# Altium PCB Copy of TempdevAmmy0923.PcbDoc (part 4 of 4)
Units mm, origin at the board's own origin, x right, y up, seen from the top; angles counter-clockwise.
Board outline 80.31 x 100.3 mm, 2 copper layers (Top Layer, Bottom Layer); 947 components, 586 nets, 3026 pads, 130 vias.
Unrouted connection lines stored in the file: 1955.
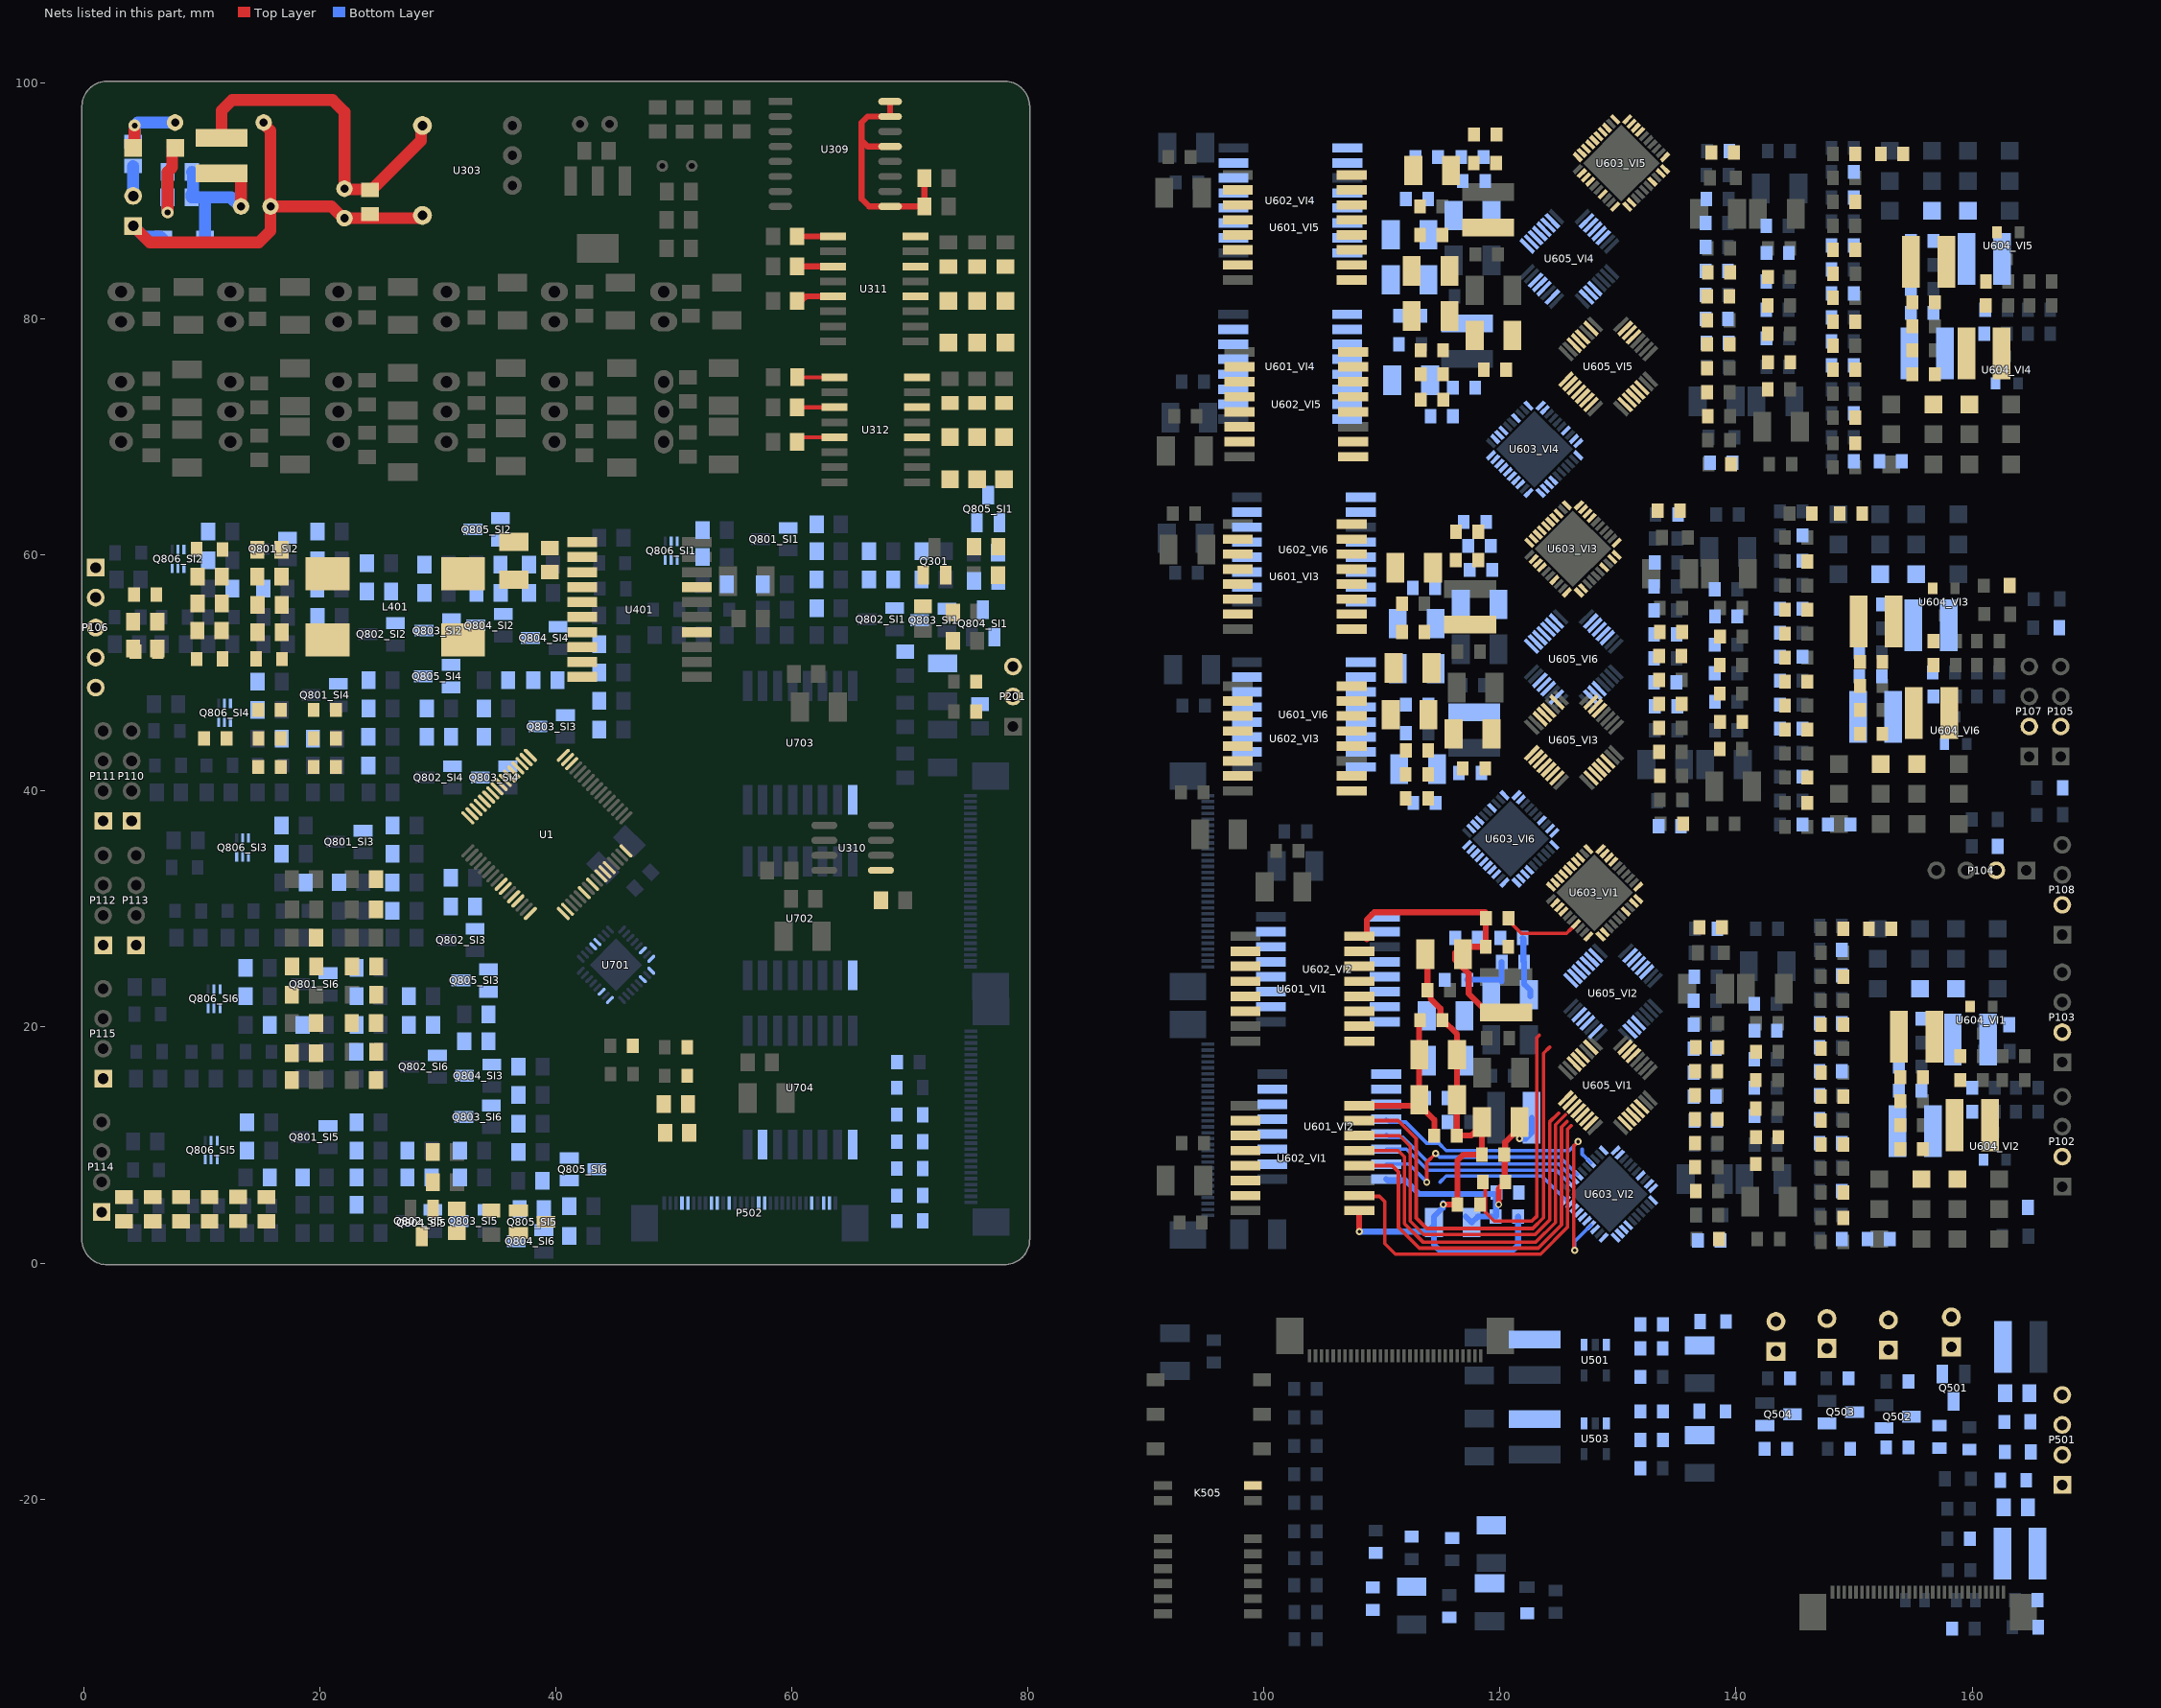
[diagram p4: the nets of this part, all layers, seen from the top]

## Via types
v1: diameter 0.5, hole 0.2, Top Layer to Bottom Layer, 96 vias
v2: diameter 0.6, hole 0.3, Top Layer to Bottom Layer, 23 vias
v3: diameter 0.5, hole 0.3, Top Layer to Bottom Layer, 9 vias
v4: diameter 1, hole 0.5, Top Layer to Bottom Layer, 2 vias

## Nets (pads, with @x,y where several pads share a name; then routed paths per layer and width w, separated by ;. In a path a pad name is that pad's centre, name@x,y a point inside that pad or via, vN(x,y) a via of type N, cw(c..) or ccw(c..) an arc to the next point about the centre after c; other vN are vias at no path point) (continued)
DA_F\A\L\U\T\_VI2: D202.2 U601_VI2.7
DA_F\A\L\U\T\_VI3: D203.2 U601_VI3.7
DA_F\A\L\U\T\_VI4: D204.2 U601_VI4.7
DA_F\A\L\U\T\_VI5: D205.2 U601_VI5.7
DA_F\A\L\U\T\_VI6: D206.2 U601_VI6.7
DA_L\D\A\C\: U1.52 U601_VI1.6 U601_VI2.6 U601_VI3.6 U601_VI4.6 U601_VI5.6 U601_VI6.6
DA_R\E\S\E\T\: U1.53 U602_VI1.2 U602_VI2.2 U602_VI3.2 U602_VI4.2 U602_VI5.2 U602_VI6.2
DA_S\Y\N\C\_VI1: U1.59 U601_VI1.2
DA_S\Y\N\C\_VI2: U1.58 U601_VI2.2
DA_S\Y\N\C\_VI3: U1.57 U601_VI3.2
DA_S\Y\N\C\_VI4: U1.56 U601_VI4.2
DA_S\Y\N\C\_VI5: U1.55 U601_VI5.2
DA_S\Y\N\C\_VI6: U1.54 U601_VI6.2
DA_SCLK: R206.2 U1.50 U601_VI1.3 U601_VI2.3 U601_VI3.3 U601_VI4.3 U601_VI5.3 U601_VI6.3
DA_SDI: R207.2 U1.48 U601_VI1.4 U601_VI2.4 U601_VI3.4 U601_VI4.4 U601_VI5.4 U601_VI6.4
DA_SDO: R208.2 R212.2 U1.49 U601_VI1.5 U601_VI2.5 U601_VI3.5 U601_VI4.5 U601_VI5.5 U601_VI6.5
DAGND: U601_VI1.9 U601_VI2.9 U601_VI3.9 U601_VI4.9 U601_VI5.9 U601_VI6.9
DASTATUS: R524.1 U1.22
DUPLEX/SDI_VI1: U602_VI1.12 U605_VI1.12 | length 32.5
  Top Layer w0.3: U602_VI1.12@108.076,8.255 110.871,8.255 111.403,7.723 111.403,3.024 113.16,1.267 123.242,1.267 125.206,3.231 125.206,11.519 125.677,11.991
DUPLEX/SDI_VI2: U602_VI2.12 U605_VI2.12
DUPLEX/SDI_VI3: U602_VI3.12 U605_VI3.12
DUPLEX/SDI_VI4: U602_VI4.12 U605_VI4.12
DUPLEX/SDI_VI5: U602_VI5.12 U605_VI5.12
DUPLEX/SDI_VI6: U602_VI6.12 U605_VI6.12
DVLDO: C602_VI1.1 C602_VI2.1 C602_VI3.1 C602_VI4.1 C602_VI5.1 C602_VI6.1 C604_VI1.1 C604_VI2.1 C604_VI3.1 C604_VI4.1 C604_VI5.1 C604_VI6.1 C606_VI1.1 C606_VI2.1 C606_VI3.1 C606_VI4.1 C606_VI5.1 C606_VI6.1 C608_VI1.1 C608_VI2.1 C608_VI3.1 C608_VI4.1 C608_VI5.1 C608_VI6.1 C619_VI1.1 C619_VI2.1 C619_VI3.1 C619_VI4.1 C619_VI5.1 C619_VI6.1 C621_VI1.1 C621_VI2.1 C621_VI3.1 C621_VI4.1 C621_VI5.1 C621_VI6.1 C626_VI1.1 C626_VI2.1 C626_VI3.1 C626_VI4.1 C626_VI5.1 C626_VI6.1 C628_VI1.1 C628_VI2.1 C628_VI3.1 C628_VI4.1 C628_VI5.1 C628_VI6.1 L603_VI1.2 L603_VI2.2 L603_VI3.2 L603_VI4.2 L603_VI5.2 L603_VI6.2 R601_VI1.1 R601_VI2.1 R601_VI3.1 R601_VI4.1 R601_VI5.1 R601_VI6.1 R616_VI1.1 R616_VI2.1 R616_VI3.1 R616_VI4.1 R616_VI5.1 R616_VI6.1 R618_VI1.1 R618_VI2.1 R618_VI3.1 R618_VI4.1 R618_VI5.1 R618_VI6.1 R620_VI1.1 R620_VI2.1 R620_VI3.1 R620_VI4.1 R620_VI5.1 R620_VI6.1 R621_VI1.1 R621_VI2.1 R621_VI3.1 R621_VI4.1 R621_VI5.1 R621_VI6.1 R624_VI1.1 R624_VI2.1 R624_VI3.1 R624_VI4.1 R624_VI5.1 R624_VI6.1 R626_VI1.1 R626_VI2.1 R626_VI3.1 R626_VI4.1 R626_VI5.1 R626_VI6.1 U601_VI1.16 U601_VI2.16 U601_VI3.16 U601_VI4.16 U601_VI5.16 U601_VI6.16 U602_VI1.16 U602_VI2.16 U602_VI3.16 U602_VI4.16 U602_VI5.16 U602_VI6.16 U603_VI1.13 U603_VI2.13 U603_VI3.13 U603_VI4.13 U603_VI5.13 U603_VI6.13 U605_VI1.2 U605_VI1.5 U605_VI1.9 U605_VI1.14 U605_VI2.2 U605_VI2.5 U605_VI2.9 U605_VI2.14 U605_VI3.2 U605_VI3.5 U605_VI3.9 U605_VI3.14 U605_VI4.2 U605_VI4.5 U605_VI4.9 U605_VI4.14 U605_VI5.2 U605_VI5.5 U605_VI5.9 U605_VI5.14 U605_VI6.2 U605_VI6.5 U605_VI6.9 U605_VI6.14 | length 70
  Top Layer w0.5: U602_VI1.16@108.711,13.335 112.665,13.335 C602_VI1.1@113.157,13.827 ; U601_VI1.16@108.712,27.432 108.712,29.083 109.347,29.718 R601_VI1.1@118.745,29.718 ; 113.157,19.9 C626_VI1.1@113.157,17.653 C602_VI1.1@113.157,13.827 ; C628_VI1.1@113.223,20.474 C628_VI1.1@113.223,20.574 ; C608_VI1.1@114.429,10.793 C608_VI1.1@114.432,10.795 114.432,12.145 113.75,12.827 113.669,12.827 113.157,13.339 C602_VI1.1@113.157,13.827 ; R601_VI1.1@118.811,29.21 118.803,29.202 118.803,26.805 C621_VI1.1@118.795,26.797 116.717,26.797 116.205,26.285 116.205,25.674 117.348,24.531 117.348,22.831 118.946,21.233 L603_VI1.2@120.396,21.233 ; v2(119.888,4.953) 119.888,6.289 R621_VI1.1@120.457,6.858 ; R621_VI1.1@120.442,7.162 120.396,7.208 120.396,9.178 120.441,9.224 120.441,10.235 C604_VI1.1@121.666,11.46 ; v2(121.666,10.541) C604_VI1.1@121.666,11.46 ; C604_VI1.1@121.666,11.948 C604_VI1.1@121.666,11.46
  Bottom Layer w0.5: U601_VI2.16@110.362,7.112 110.465,7.009 111.99,7.009 113.157,5.842 119.573,5.842 119.667,5.748 119.667,3.97 C621_VI2.1@119.634,3.937 118.11,3.937 C619_VI2.1@117.602,3.429 C619_VI2.1@117.09,3.941 ; v2(121.666,10.541) 122.182,10.541 122.682,11.041 L603_VI2.2@122.682,12.319 ; R621_VI2.1@121.92,27.559 121.983,27.495 121.983,25.59 C606_VI2.1@122.047,25.527 122.047,23.627 122.58,23.094 C604_VI2.1@122.58,22.606
DVLDOGND_VI1: C602_VI1.2 C602_VI2.2 C602_VI3.2 C602_VI4.2 C602_VI5.2 C602_VI6.2 C604_VI1.2 C604_VI2.2 C604_VI3.2 C604_VI4.2 C604_VI5.2 C604_VI6.2 C606_VI1.2 C606_VI2.2 C606_VI3.2 C606_VI4.2 C606_VI5.2 C606_VI6.2 C608_VI1.2 C608_VI2.2 C608_VI3.2 C608_VI4.2 C608_VI5.2 C608_VI6.2 C619_VI1.2 C619_VI2.2 C619_VI3.2 C619_VI4.2 C619_VI5.2 C619_VI6.2 C621_VI1.2 C621_VI2.2 C621_VI3.2 C621_VI4.2 C621_VI5.2 C621_VI6.2 C626_VI1.2 C626_VI2.2 C626_VI3.2 C626_VI4.2 C626_VI5.2 C626_VI6.2 C628_VI1.2 C628_VI2.2 C628_VI3.2 C628_VI4.2 C628_VI5.2 C628_VI6.2 R614_VI1.2 R614_VI2.2 R614_VI3.2 R614_VI4.2 R614_VI5.2 R614_VI6.2 R623_VI1.2 R623_VI2.2 R623_VI3.2 R623_VI4.2 R623_VI5.2 R623_VI6.2 U602_VI1.9 U602_VI2.9 U602_VI3.9 U602_VI4.9 U602_VI5.9 U602_VI6.9 U603_VI1.15 U603_VI2.15 U603_VI3.15 U603_VI4.15 U603_VI5.15 U603_VI6.15 U605_VI1.4 U605_VI1.15 U605_VI1.29 U605_VI2.4 U605_VI2.15 U605_VI2.29 U605_VI3.4 U605_VI3.15 U605_VI3.29 U605_VI4.4 U605_VI4.15 U605_VI4.29 U605_VI5.4 U605_VI5.15 U605_VI5.29 U605_VI6.4 U605_VI6.15 U605_VI6.29 | length 54.2
  Top Layer w0.5: U602_VI1.9@108.076,4.445 v2(108.077,2.667) v2(108.077,2.667) ; 113.858,24.821 R614_VI1.2@113.858,23.114 114.108,22.864 114.108,22.417 114.957,21.568 114.957,20.74 C628_VI1.2@115.123,20.574 ; C628_VI1.2@115.123,20.624 116.357,19.39 C626_VI1.2@116.357,17.653 C602_VI1.2@116.357,13.827 116.332,13.802 116.332,10.845 116.357,10.82 117.582,10.82 118.46,11.698 C606_VI1.2@118.46,9.178 116.874,9.178 116.398,8.702 R623_VI1.2@116.398,4.953 v2(115.189,4.953) ; C604_VI1.2@118.466,11.948 C604_VI1.2@118.669,11.745
  Bottom Layer w0.5: v2(108.077,2.667) 113.89,2.667 C619_VI2.2@114.402,3.179 ; v2@115.17,5.073 v2@115.189,5.054 ; v2(115.189,4.953) 115.17,4.934 115.17,4.685 114.402,3.917 C619_VI2.2@114.402,3.429 C619_VI2.2@114.402,3.179 ; C608_VI2.2@117.221,24.003 120.005,24.003 120.147,23.861 C606_VI2.2@120.147,25.527 ; C621_VI2.2@121.534,3.937 121.534,1.519 121.158,1.143 114.808,1.143 114.402,1.549 C619_VI2.2@114.402,3.179
F\A\L\U\T\_VI1: R601_VI1.2 U601_VI1.10 U603_VI1.27 | length 6.7
  Top Layer w0.3: R601_VI1.2@120.711,29.21 121.061,28.86 121.061,28.672 121.793,27.94 125.648,27.94 125.987,28.279 U603_VI1.27@126.443,28.735
F\A\L\U\T\_VI2: R601_VI2.2 U601_VI2.10 U603_VI2.27 | length 1.5
  Bottom Layer w0.3: 126.967,9.652 126.967,9.222 127.257,8.932 U603_VI2.27@127.713,8.476
F\A\L\U\T\_VI3: R601_VI3.2 U601_VI3.10 U603_VI3.27
F\A\L\U\T\_VI4: R601_VI4.2 U601_VI4.10 U603_VI4.27
F\A\L\U\T\_VI5: R601_VI5.2 U601_VI5.10 U603_VI5.27
F\A\L\U\T\_VI6: R601_VI6.2 U601_VI6.10 U603_VI6.27
F\A\U\L\T\: D201.1 D202.1 D203.1 D204.1 D205.1 D206.1 R213.2 U1.46
GPIO_0_VI1: R613_VI1.1 R616_VI1.2 U603_VI1.17
GPIO_0_VI2: R613_VI2.1 R616_VI2.2 U603_VI2.17
GPIO_0_VI3: R613_VI3.1 R616_VI3.2 U603_VI3.17
GPIO_0_VI4: R613_VI4.1 R616_VI4.2 U603_VI4.17
GPIO_0_VI5: R613_VI5.1 R616_VI5.2 U603_VI5.17
GPIO_0_VI6: R613_VI6.1 R616_VI6.2 U603_VI6.17
GPIO_1_VI1: R617_VI1.1 R618_VI1.2 U603_VI1.18
GPIO_1_VI2: R617_VI2.1 R618_VI2.2 U603_VI2.18
GPIO_1_VI3: R617_VI3.1 R618_VI3.2 U603_VI3.18
GPIO_1_VI4: R617_VI4.1 R618_VI4.2 U603_VI4.18
GPIO_1_VI5: R617_VI5.1 R618_VI5.2 U603_VI5.18
GPIO_1_VI6: R617_VI6.1 R618_VI6.2 U603_VI6.18
GPIO_2_VI1: R619_VI1.1 R620_VI1.2 U603_VI1.19
GPIO_2_VI2: R619_VI2.1 R620_VI2.2 U603_VI2.19
GPIO_2_VI3: R619_VI3.1 R620_VI3.2 U603_VI3.19
GPIO_2_VI4: R619_VI4.1 R620_VI4.2 U603_VI4.19
GPIO_2_VI5: R619_VI5.1 R620_VI5.2 U603_VI5.19
GPIO_2_VI6: R619_VI6.1 R620_VI6.2 U603_VI6.19
HART_CD/IRQ: U1.63 U602_VI1.6 U602_VI2.6 U602_VI3.6 U602_VI4.6 U602_VI5.6 U602_VI6.6
HART_DUPLEX/SDI: R207.1 R209.1 U602_VI1.5
HART_DUPLEX/SDI_VI2: U602_VI1.7 U602_VI2.5
HART_DUPLEX/SDI_VI3: U602_VI2.7 U602_VI3.5
HART_DUPLEX/SDI_VI4: U602_VI3.7 U602_VI4.5
HART_DUPLEX/SDI_VI5: U602_VI4.7 U602_VI5.5
HART_DUPLEX/SDI_VI6: U602_VI5.7 U602_VI6.5
HART_OUT/SDO: R208.1 R210.1 U602_VI6.7
HART_R\T\S\/SCLK: R206.1 R211.1 U602_VI1.4 U602_VI2.4 U602_VI3.4 U602_VI4.4 U602_VI5.4 U602_VI6.4
HART_RXD/C\S\: U1.64 U602_VI1.3 U602_VI2.3 U602_VI3.3 U602_VI4.3 U602_VI5.3 U602_VI6.3
HMI5V: C501.1 C505.1 D502.2 D512.2 L501.1 R502.1 R525.1
IOUT1: Q805_SI1.3 Q805_SI2.3 Q805_SI3.3 Q805_SI4.3 Q805_SI5.3 Q805_SI6.3 R707.1 R708.2
L\D\A\C\_VI1: U601_VI1.11 U603_VI1.20
L\D\A\C\_VI2: U601_VI2.11 U603_VI2.20 | length 11.7
  Bottom Layer w0.3: 114.935,6.858 115.443,7.366 123.555,7.366 U603_VI2.20@125.591,5.329
L\D\A\C\_VI3: U601_VI3.11 U603_VI3.20
L\D\A\C\_VI4: U601_VI4.11 U603_VI4.20
L\D\A\C\_VI5: U601_VI5.11 U603_VI5.20
L\D\A\C\_VI6: U601_VI6.11 U603_VI6.20
MOD_IN_VI1: C622_VI1.2 U605_VI1.21
MOD_IN_VI2: C622_VI2.2 U605_VI2.21
MOD_IN_VI3: C622_VI3.2 U605_VI3.21
MOD_IN_VI4: C622_VI4.2 U605_VI4.21
MOD_IN_VI5: C622_VI5.2 U605_VI5.21
MOD_IN_VI6: C622_VI6.2 U605_VI6.21
MOD_INF_VI1: C623_VI1.2 C624_VI1.1 R628_VI1.1 R629_VI1.2 U605_VI1.22
MOD_INF_VI2: C623_VI2.2 C624_VI2.1 R628_VI2.1 R629_VI2.2 U605_VI2.22
MOD_INF_VI3: C623_VI3.2 C624_VI3.1 R628_VI3.1 R629_VI3.2 U605_VI3.22
MOD_INF_VI4: C623_VI4.2 C624_VI4.1 R628_VI4.1 R629_VI4.2 U605_VI4.22
MOD_INF_VI5: C623_VI5.2 C624_VI5.1 R628_VI5.1 R629_VI5.2 U605_VI5.22
MOD_INF_VI6: C623_VI6.2 C624_VI6.1 R628_VI6.1 R629_VI6.2 U605_VI6.22
MOD_OUT_VI1: C631_VI1.2 C633_VI1.1 U605_VI1.19
MOD_OUT_VI2: C631_VI2.2 C633_VI2.1 U605_VI2.19
MOD_OUT_VI3: C631_VI3.2 C633_VI3.1 U605_VI3.19
MOD_OUT_VI4: C631_VI4.2 C633_VI4.1 U605_VI4.19
MOD_OUT_VI5: C631_VI5.2 C633_VI5.1 U605_VI5.19
MOD_OUT_VI6: C631_VI6.2 C633_VI6.1 U605_VI6.19
MOSI: P502.13 U1.16
NetC201_2: C201.2 U1.17
NetC305_1: C305.1 D302.2 L301.1 R301.1 R302.1 | length 14.6
  Top Layer w1: L301.1@11.684,92.353 13.085,92.353 13.335,92.103 C305.1@13.335,89.535
  Bottom Layer w1: R301.1@9.16,92.456 9.26,92.356 9.26,90.689 9.271,90.678 9.144,90.551 R302.1@9.144,90.297 10.287,90.297 ; D302.2@10.287,86.741 10.287,90.297 ; C305.1@13.335,89.535 13.227,89.535 12.465,90.297 10.287,90.297
NetC405_2: C405.2 L401.4 R402.1
NetC406_1: C406.1 L401.3 R404.2
NetC501_2: C501.2 R525.2 R526.1 U501.3
NetC509_1: C509.1 P502.26
NetC510_1: C510.1 C511.1 P502.27
NetC512_1: C512.1 P502.3
NetC514_2: C514.2 R529.2 R530.1 U503.3
NetC624_VI1_2: C624_VI1.2 C629_VI1.2 R627_VI1.1
NetC624_VI2_2: C624_VI2.2 C629_VI2.2 R627_VI2.1
NetC624_VI3_2: C624_VI3.2 C629_VI3.2 R627_VI3.1
NetC624_VI4_2: C624_VI4.2 C629_VI4.2 R627_VI4.1
NetC624_VI5_2: C624_VI5.2 C629_VI5.2 R627_VI5.1
NetC624_VI6_2: C624_VI6.2 C629_VI6.2 R627_VI6.1
NetC630_VI1_2: C630_VI1.2 R629_VI1.1 U605_VI1.20
NetC630_VI2_2: C630_VI2.2 R629_VI2.1 U605_VI2.20
NetC630_VI3_2: C630_VI3.2 R629_VI3.1 U605_VI3.20
NetC630_VI4_2: C630_VI4.2 R629_VI4.1 U605_VI4.20
NetC630_VI5_2: C630_VI5.2 R629_VI5.1 U605_VI5.20
NetC630_VI6_2: C630_VI6.2 R629_VI6.1 U605_VI6.20
NetC632_VI1_1: C632_VI1.1 U605_VI1.18
NetC632_VI2_1: C632_VI2.1 U605_VI2.18
NetC632_VI3_1: C632_VI3.1 U605_VI3.18
NetC632_VI4_1: C632_VI4.1 U605_VI4.18
NetC632_VI5_1: C632_VI5.1 U605_VI5.18
NetC632_VI6_1: C632_VI6.1 U605_VI6.18
NetC708_2: C708.2 U701.1
NetC709_2: C709.2 U701.24
NetC802_SI1_2: C802_SI1.2 Q806_SI1.4 R815_SI1.2
NetC802_SI2_2: C802_SI2.2 Q806_SI2.4 R815_SI2.2
NetC802_SI3_2: C802_SI3.2 Q806_SI3.4 R815_SI3.2
NetC802_SI4_2: C802_SI4.2 Q806_SI4.4 R815_SI4.2
NetC802_SI5_2: C802_SI5.2 Q806_SI5.4 R815_SI5.2
NetC802_SI6_2: C802_SI6.2 Q806_SI6.4 R815_SI6.2
NetD301_1: D301.1 F301.2 R303.2 | length 6.5
  Top Layer w1: D301.1@4.191,94.488 4.316,94.613 v4@4.316,95.985
  Bottom Layer w1: F301.2@4.191,95.012 4.218,95.012 4.318,95.112 v4(4.318,96.393) 4.572,96.647 R303.2@7.747,96.647
NetD301_2: D301.2 R301.2 R302.2 | length 9.2
  Top Layer w1: v4(7.112,89.027) 7.112,92.456 7.497,92.841 7.497,94.238 D301.2@7.747,94.488
  Bottom Layer w1: v4(7.112,89.027) R301.2@7.112,92.456
NetD303_1: D303.1 R306.2 U311.16
NetD303_2: D303.2 D304.2 D305.2 D306.2 D307.2 D308.2 R317.1
NetD304_1: D304.1 R307.2 U311.14
NetD305_1: D305.1 R308.2 U311.12
NetD306_1: D306.1 R309.2 U312.16
NetD307_1: D307.1 R310.2 U312.14
NetD308_1: D308.1 R311.2 U312.12
NetD401_1: D401.1 D402.2 PTC401.2 R401.2 R402.2 R403.2
NetD402_1: D402.1 D403.2 PTC402.2 R403.1 R404.1 R405.2
NetD501_2: D501.2 L501.2 R501.2
NetD506_1: D506.1 L502.2 R506.2
NetD508_1: D508.1 R517.2
NetD508_2: D508.2 Q501.1
NetD509_1: D509.1 R519.2
NetD509_2: D509.2 Q502.1
NetD510_1: D510.1 R521.2
NetD510_2: D510.2 Q503.1
NetD511_1: D511.1 R523.2
NetD511_2: D511.2 Q504.1
NetD512_1: D512.1 L503.2 U501.1
NetD513_1: D513.1 R527.1
NetD514_1: D514.1 L504.2 U503.1
NetL401_1: L401.1 U401.15 U401.18
NetL401_2: L401.2 U401.13 U401.17
NetNTC701_1: NTC701.1 R703.2 R704.2
NetNTC701_2: NTC701.2 R701.2 R702.2
NetP002_48: 
NetP502_5: P502.5 R527.2
NetP502_22: P502.22 R528.2
NetQ301_2: Q301.2 R317.2 R318.1
NetQ501_2: Q501.2 R518.2
NetQ502_2: Q502.2 R520.2
NetQ503_2: Q503.2 R522.2
NetQ504_2: Q504.2 R524.2
NetQ801_SI1_2: Q801_SI1.2 R802_SI1.1 R803_SI1.1
NetQ801_SI2_2: Q801_SI2.2 R802_SI2.1 R803_SI2.1
NetQ801_SI3_2: Q801_SI3.2 R802_SI3.1 R803_SI3.1
NetQ801_SI4_2: Q801_SI4.2 R802_SI4.1 R803_SI4.1
NetQ801_SI5_2: Q801_SI5.2 R802_SI5.1 R803_SI5.1
NetQ801_SI6_2: Q801_SI6.2 R802_SI6.1 R803_SI6.1
NetQ802_SI1_2: Q802_SI1.2 R801_SI1.1 R804_SI1.1
NetQ802_SI2_2: Q802_SI2.2 R801_SI2.1 R804_SI2.1
NetQ802_SI3_2: Q802_SI3.2 R801_SI3.1 R804_SI3.1
NetQ802_SI4_2: Q802_SI4.2 R801_SI4.1 R804_SI4.1
NetQ802_SI5_2: Q802_SI5.2 R801_SI5.1 R804_SI5.1
NetQ802_SI6_2: Q802_SI6.2 R801_SI6.1 R804_SI6.1
NetQ803_SI1_1: Q803_SI1.1 R804_SI1.2
NetQ803_SI1_2: Q803_SI1.2 R805_SI1.1 R806_SI1.1
NetQ803_SI2_1: Q803_SI2.1 R804_SI2.2
NetQ803_SI2_2: Q803_SI2.2 R805_SI2.1 R806_SI2.1
NetQ803_SI3_1: Q803_SI3.1 R804_SI3.2
NetQ803_SI3_2: Q803_SI3.2 R805_SI3.1 R806_SI3.1
NetQ803_SI4_1: Q803_SI4.1 R804_SI4.2
NetQ803_SI4_2: Q803_SI4.2 R805_SI4.1 R806_SI4.1
NetQ803_SI5_1: Q803_SI5.1 R804_SI5.2
NetQ803_SI5_2: Q803_SI5.2 R805_SI5.1 R806_SI5.1
NetQ803_SI6_1: Q803_SI6.1 R804_SI6.2
NetQ803_SI6_2: Q803_SI6.2 R805_SI6.1 R806_SI6.1
NetQ804_SI1_1: Q804_SI1.1 R807_SI1.1
NetQ804_SI1_2: Q804_SI1.2 R808_SI1.1 R810_SI1.1
NetQ804_SI2_1: Q804_SI2.1 R807_SI2.1
NetQ804_SI2_2: Q804_SI2.2 R808_SI2.1 R810_SI2.1
NetQ804_SI3_1: Q804_SI3.1 R807_SI3.1
NetQ804_SI3_2: Q804_SI3.2 R808_SI3.1 R810_SI3.1
NetQ804_SI4_1: Q804_SI4.1 R807_SI4.1
NetQ804_SI4_2: Q804_SI4.2 R808_SI4.1 R810_SI4.1
NetQ804_SI5_1: Q804_SI5.1 R807_SI5.1
NetQ804_SI5_2: Q804_SI5.2 R808_SI5.1 R810_SI5.1
NetQ804_SI6_1: Q804_SI6.1 R807_SI6.1
NetQ804_SI6_2: Q804_SI6.2 R808_SI6.1 R810_SI6.1
NetQ805_SI1_1: Q805_SI1.1 R807_SI1.2 R809_SI1.1
NetQ805_SI1_2: Q805_SI1.2 Q806_SI1.3 Q806_SI1.6
NetQ805_SI2_1: Q805_SI2.1 R807_SI2.2 R809_SI2.1
NetQ805_SI2_2: Q805_SI2.2 Q806_SI2.3 Q806_SI2.6
NetQ805_SI3_1: Q805_SI3.1 R807_SI3.2 R809_SI3.1
NetQ805_SI3_2: Q805_SI3.2 Q806_SI3.3 Q806_SI3.6
NetQ805_SI4_1: Q805_SI4.1 R807_SI4.2 R809_SI4.1
NetQ805_SI4_2: Q805_SI4.2 Q806_SI4.3 Q806_SI4.6
NetQ805_SI5_1: Q805_SI5.1 R807_SI5.2 R809_SI5.1
NetQ805_SI5_2: Q805_SI5.2 Q806_SI5.3 Q806_SI5.6
NetQ805_SI6_1: Q805_SI6.1 R807_SI6.2 R809_SI6.1
NetQ805_SI6_2: Q805_SI6.2 Q806_SI6.3 Q806_SI6.6
NetQ806_SI1_2: Q806_SI1.2 R811_SI1.2 R812_SI1.2
NetQ806_SI1_5: Q806_SI1.5 R813_SI1.2 R814_SI1.2
NetQ806_SI2_2: Q806_SI2.2 R811_SI2.2 R812_SI2.2
NetQ806_SI2_5: Q806_SI2.5 R813_SI2.2 R814_SI2.2
NetQ806_SI3_2: Q806_SI3.2 R811_SI3.2 R812_SI3.2
NetQ806_SI3_5: Q806_SI3.5 R813_SI3.2 R814_SI3.2
NetQ806_SI4_2: Q806_SI4.2 R811_SI4.2 R812_SI4.2
NetQ806_SI4_5: Q806_SI4.5 R813_SI4.2 R814_SI4.2
NetQ806_SI5_2: Q806_SI5.2 R811_SI5.2 R812_SI5.2
NetQ806_SI5_5: Q806_SI5.5 R813_SI5.2 R814_SI5.2
NetQ806_SI6_2: Q806_SI6.2 R811_SI6.2 R812_SI6.2
NetQ806_SI6_5: Q806_SI6.5 R813_SI6.2 R814_SI6.2
NetR201_1: R201.1 U1.32
NetR209_2: R209.2 U1.62
NetR210_2: R210.2 U1.61
NetR211_2: R211.2 U1.60
NetR212_1: R212.1 U1.51
NetR305_1: R305.1 U310.1
NetR312_1: R312.1 U311.1 | length 2.6
  Top Layer w0.5: R312.1@60.849,86.995 U311.1@63.485,86.995
NetR313_1: R313.1 U311.3 | length 2.7
  Top Layer w0.5: R313.1@60.833,84.455 U311.3@63.485,84.455
NetR315_1: R315.1 U311.5 | length 2.8
  Top Layer w0.5: R315.1@60.833,81.534 60.833,81.565 61.183,81.915 U311.5@63.485,81.915
NetR316_1: R316.1 U312.1 | length 3.1
  Top Layer w0.35: R316.1@60.468,75.057 U312.1@63.612,75.057
NetR319_1: R319.1 U312.3 | length 3.2
  Top Layer w0.35: R319.1@60.452,72.517 U312.3@63.612,72.517
NetR320_1: R320.1 U312.5 | length 3.2
  Top Layer w0.35: R320.1@60.452,69.977 U312.5@63.612,69.977
NetR604_VI1_2: R604_VI1.2 U603_VI1.9
NetR604_VI2_2: R604_VI2.2 U603_VI2.9
NetR604_VI3_2: R604_VI3.2 U603_VI3.9
NetR604_VI4_2: R604_VI4.2 U603_VI4.9
NetR604_VI5_2: R604_VI5.2 U603_VI5.9
NetR604_VI6_2: R604_VI6.2 U603_VI6.9
NetR612_VI1_2: R612_VI1.2 R615_VI1.1 U604_VI1.2
NetR612_VI2_2: R612_VI2.2 R615_VI2.1 U604_VI2.2
NetR612_VI3_2: R612_VI3.2 R615_VI3.1 U604_VI3.2
NetR612_VI4_2: R612_VI4.2 R615_VI4.1 U604_VI4.2
NetR612_VI5_2: R612_VI5.2 R615_VI5.1 U604_VI5.2
NetR612_VI6_2: R612_VI6.2 R615_VI6.1 U604_VI6.2
NetR621_VI1_2: R621_VI1.2 R623_VI1.1 U605_VI1.31 | length 22.8
  Top Layer w0.3: R621_VI1.2@118.745,6.858 118.745,4.318 119.51,3.553 122.7,3.553 123.132,3.985 123.132,19.119 123.317,19.304
NetR621_VI2_2: R621_VI2.2 R623_VI2.1 U605_VI2.31
NetR621_VI3_2: R621_VI3.2 R623_VI3.1 U605_VI3.31 | length 0.6
  Top Layer w0.3: R621_VI3.2@113.564,40.952 113.914,41.302 R621_VI3.2@113.914,41.402
NetR621_VI4_2: R621_VI4.2 R623_VI4.1 U605_VI4.31
NetR621_VI5_2: R621_VI5.2 R623_VI5.1 U605_VI5.31
NetR621_VI6_2: R621_VI6.2 R623_VI6.1 U605_VI6.31
NetR705_1: R705.1 U701.27 | length 0.1
  Top Layer w0.254: R705.1@49.26,10.899 R705.1@49.26,11.049
OLED12V: C507.1 C508.1 C514.1 C516.1 D514.2 P502.2 R529.1
PE: C405.1 C406.2 MOV401.2 MOV402.2 P106.5
PGND1_VI1: C613_VI1.2 R602_VI1.2 U603_VI1.40
PGND1_VI2: C613_VI2.2 R602_VI2.2 U603_VI2.40
PGND1_VI3: C613_VI3.2 R602_VI3.2 U603_VI3.40
PGND1_VI4: C613_VI4.2 R602_VI4.2 U603_VI4.40
PGND1_VI5: C613_VI5.2 R602_VI5.2 U603_VI5.40
PGND1_VI6: C613_VI6.2 R602_VI6.2 U603_VI6.40
PGND2_VI1: C615_VI1.2 R605_VI1.2 U603_VI1.31
PGND2_VI2: C615_VI2.2 R605_VI2.2 U603_VI2.31
PGND2_VI3: C615_VI3.2 R605_VI3.2 U603_VI3.31
PGND2_VI4: C615_VI4.2 R605_VI4.2 U603_VI4.31
PGND2_VI5: C615_VI5.2 R605_VI5.2 U603_VI5.31
PGND2_VI6: C615_VI6.2 R605_VI6.2 U603_VI6.31
PowerOK: R518.1 U1.26
PSW: R819_SI1.1 R819_SI2.1 R819_SI3.1 R819_SI4.1 R819_SI5.1 R819_SI6.1 U701.25
R\E\S\: P502.21 U1.12
R\E\S\E\T\_VI1: U602_VI1.15 U603_VI1.16 U605_VI1.6 U605_VI1.30 | length 38.4
  Top Layer w0.3: U602_VI1.15@108.076,12.065 111.379,12.065 112.903,10.541 112.903,3.81 113.792,2.921 122.775,2.921 123.698,3.844 123.698,17.78 124.206,18.288
R\E\S\E\T\_VI2: U602_VI2.15 U603_VI2.16 U605_VI2.6 U605_VI2.30
R\E\S\E\T\_VI3: U602_VI3.15 U603_VI3.16 U605_VI3.6 U605_VI3.30
R\E\S\E\T\_VI4: U602_VI4.15 U603_VI4.16 U605_VI4.6 U605_VI4.30
R\E\S\E\T\_VI5: U602_VI5.15 U603_VI5.16 U605_VI5.6 U605_VI5.30
R\E\S\E\T\_VI6: U602_VI6.15 U603_VI6.16 U605_VI6.6 U605_VI6.30
RA_VI1: R603_VI1.1 U603_VI1.7
RA_VI2: R603_VI2.1 U603_VI2.7
RA_VI3: R603_VI3.1 U603_VI3.7
RA_VI4: R603_VI4.1 U603_VI4.7
RA_VI5: R603_VI5.1 U603_VI5.7
RA_VI6: R603_VI6.1 U603_VI6.7
RB_VI1: R603_VI1.2 U603_VI1.8
RB_VI2: R603_VI2.2 U603_VI2.8
RB_VI3: R603_VI3.2 U603_VI3.8
RB_VI4: R603_VI4.2 U603_VI4.8
RB_VI5: R603_VI5.2 U603_VI5.8
RB_VI6: R603_VI6.2 U603_VI6.8
REFIN1_N: C712.2 C713.1 R708.1 U701.13
REFIN1_P: C711.1 C712.1 R706.1 U701.12
REFIN_VI1: C616_VI1.2 U603_VI1.10 U603_VI1.11
REFIN_VI2: C616_VI2.2 U603_VI2.10 U603_VI2.11
REFIN_VI3: C616_VI3.2 U603_VI3.10 U603_VI3.11
REFIN_VI4: C616_VI4.2 U603_VI4.10 U603_VI4.11
REFIN_VI5: C616_VI5.2 U603_VI5.10 U603_VI5.11
REFIN_VI6: C616_VI6.2 U603_VI6.10 U603_VI6.11
REFOUT: C710.2 R701.1 U701.22
RET1: P110.1 R819_SI1.2
RET2: P111.1 R819_SI2.2
RET3: P112.1 R819_SI3.2
RET4: P113.1 R819_SI4.2
RET5: P114.1 R819_SI5.2
RET6: P115.1 R819_SI6.2
RS485_N: MOV402.1 P106.3 PTC402.1
RS485_P: MOV401.1 P106.2 PTC401.1
RS485_Rxd: U1.9 U401.7
RS485_Txd: R520.1 U1.10 U401.4
Rxd/D-: P201.2 R205.1 U1.27
S\Y\N\C\_VI1: U601_VI1.15 U603_VI1.24
S\Y\N\C\_VI2: U601_VI2.15 U603_VI2.24 | length 19.6
  Top Layer w0.3: v2(113.792,6.858) 113.792,8.528 v2(114.554,9.29)
  Bottom Layer w0.3: U601_VI2.15@110.362,8.382 112.268,8.382 v2(113.792,6.858) ; v2(114.554,9.29) 114.576,9.29 114.88,8.987 125.065,8.987 U603_VI2.24@126.558,7.493
S\Y\N\C\_VI3: U601_VI3.15 U603_VI3.24
S\Y\N\C\_VI4: U601_VI4.15 U603_VI4.24
S\Y\N\C\_VI5: U601_VI5.15 U603_VI5.24
S\Y\N\C\_VI6: U601_VI6.15 U603_VI6.24
SCLK: P502.14 U1.13
SCLK_VI1: U601_VI1.14 U603_VI1.22
SCLK_VI2: U601_VI2.14 U603_VI2.22 | length 16.7
  Bottom Layer w0.3: U601_VI2.14@110.362,9.652 112.069,9.652 113.847,7.874 124.763,7.874 125.395,7.242 U603_VI2.22@125.851,6.786
SCLK_VI3: U601_VI3.14 U603_VI3.22
SCLK_VI4: U601_VI4.14 U603_VI4.22
SCLK_VI5: U601_VI5.14 U603_VI5.22
SCLK_VI6: U601_VI6.14 U603_VI6.22
SDI_VI1: U601_VI1.13 U603_VI1.23
SDI_VI2: U601_VI2.13 U603_VI2.23 | length 17.4
  Bottom Layer w0.3: U601_VI2.13@110.362,10.922 110.612,10.672 111.756,10.672 114.046,8.382 124.962,8.382 U603_VI2.23@126.204,7.139
SDI_VI3: U601_VI3.13 U603_VI3.23
SDI_VI4: U601_VI4.13 U603_VI4.23
SDI_VI5: U601_VI5.13 U603_VI5.23
SDI_VI6: U601_VI6.13 U603_VI6.23
SDO_VI1: U601_VI1.12 U603_VI1.14
SDO_VI2: U601_VI2.12 U603_VI2.14 | length 29.5
  Top Layer w0.3: v2@126.238,1.143 126.238,9.906 v2@126.492,10.16
  Bottom Layer w0.3: U601_VI2.12@110.362,12.192 110.612,11.942 112.01,11.942 113.792,10.16 114.808,10.16 115.443,9.525 125.857,9.525 v2(126.619,10.287) ; v2(126.332,1.065) 126.332,1.827 U603_VI2.14@127.713,3.208
SDO_VI3: U601_VI3.12 U603_VI3.14
SDO_VI4: U601_VI4.12 U603_VI4.14
SDO_VI5: U601_VI5.12 U603_VI5.14
SDO_VI6: U601_VI6.12 U603_VI6.14
SGND: C345.2 C349.1 C701.2 C703.2 C708.1 L702.1 R705.2 U309.9 U309.13 U309.15 U309.16 U701.3 U702.9 U703.9 U704.9 U704.15 | length 21
  Top Layer w0.5: U309.13@68.326,94.615 66.421,94.615 65.913,95.123 ; U309.16@68.326,98.425 U309.15@68.326,97.155 66.421,97.155 65.913,96.647 65.913,95.123 ; C349.1@71.231,91.948 C345.2@71.231,89.535 U309.9@68.326,89.535 66.548,89.535 65.913,90.17 65.913,95.123
SS: P502.19 U1.18
SS2: U1.47
SW+_VI1: L601_VI1.1 U603_VI1.1
SW+_VI2: L601_VI2.1 U603_VI2.1
SW+_VI3: L601_VI3.1 U603_VI3.1
SW+_VI4: L601_VI4.1 U603_VI4.1
SW+_VI5: L601_VI5.1 U603_VI5.1
SW+_VI6: L601_VI6.1 U603_VI6.1
SW-_VI1: L602_VI1.1 U603_VI1.30
SW-_VI2: L602_VI2.1 U603_VI2.30
SW-_VI3: L602_VI3.1 U603_VI3.30
SW-_VI4: L602_VI4.1 U603_VI4.30
SW-_VI5: L602_VI5.1 U603_VI5.30
SW-_VI6: L602_VI6.1 U603_VI6.30
Txd/D+: P201.3 R204.1 U1.28
U\A\R\T\_\R\T\S\/SCLK_VI1: U602_VI1.13 U605_VI1.11 | length 33.3
  Top Layer w0.3: U602_VI1.13@108.076,9.525 111.379,9.525 111.903,9.001 111.903,3.341 113.466,1.778 123.046,1.778 124.706,3.438 124.706,11.726 125.553,12.573
U\A\R\T\_\R\T\S\/SCLK_VI2: U602_VI2.13 U605_VI2.11
U\A\R\T\_\R\T\S\/SCLK_VI3: U602_VI3.13 U605_VI3.11
U\A\R\T\_\R\T\S\/SCLK_VI4: U602_VI4.13 U605_VI4.11
U\A\R\T\_\R\T\S\/SCLK_VI5: U602_VI5.13 U605_VI5.11
U\A\R\T\_\R\T\S\/SCLK_VI6: U602_VI6.13 U605_VI6.11
UART_IN/C\S\_VI1: U602_VI1.14 U605_VI1.10 | length 33.2
  Top Layer w0.3: U602_VI1.14@108.076,10.795 111.506,10.795 112.403,9.898 112.403,3.548 113.538,2.413 122.974,2.413 124.206,3.645 124.206,11.938 124.968,12.7
UART_IN/C\S\_VI2: U602_VI2.14 U605_VI2.10
UART_IN/C\S\_VI3: U602_VI3.14 U605_VI3.10
UART_IN/C\S\_VI4: U602_VI4.14 U605_VI4.10
UART_IN/C\S\_VI5: U602_VI5.14 U605_VI5.10
UART_IN/C\S\_VI6: U602_VI6.14 U605_VI6.10
UART_OUT/SDO_VI1: U602_VI1.10 U605_VI1.13 | length 31.5
  Top Layer w0.3: U602_VI1.10@108.076,5.715 108.144,5.647 109.796,5.647 110.236,5.207 110.236,1.651 111.128,0.759 123.441,0.759 125.73,3.048 125.73,11.336 126.031,11.637
UART_OUT/SDO_VI2: U602_VI2.10 U605_VI2.13
UART_OUT/SDO_VI3: U602_VI3.10 U605_VI3.13
UART_OUT/SDO_VI4: U602_VI4.10 U605_VI4.13
UART_OUT/SDO_VI5: U602_VI5.10 U605_VI5.13
UART_OUT/SDO_VI6: U602_VI6.10 U605_VI6.13
USB5V: P501.1 R501.1
USB+: D501.1 D503.2 P501.2 R503.2
USB-: D503.1 D506.2 P501.3 R504.2
USBGND: P501.4 R506.1
USBISPE\N\: K505.4 R202.1
V+: C306.1 C307.1 L301.2 U303.4 | length 29.6
  Top Layer w1: L301.2@11.684,95.353 11.684,97.663 12.573,98.552 21.082,98.552 22.098,97.536 C306.1@22.098,91.039 22.152,90.986 24.203,90.986 C307.1@24.257,90.932 24.407,90.932 28.587,95.112 28.587,96.278 U303.4@28.702,96.393
VDPC+_VI1: C613_VI1.1 L601_VI1.2 U603_VI1.39
VDPC+_VI2: C613_VI2.1 L601_VI2.2 U603_VI2.39
VDPC+_VI3: C613_VI3.1 L601_VI3.2 U603_VI3.39
VDPC+_VI4: C613_VI4.1 L601_VI4.2 U603_VI4.39
VDPC+_VI5: C613_VI5.1 L601_VI5.2 U603_VI5.39
VDPC+_VI6: C613_VI6.1 L601_VI6.2 U603_VI6.39
VDPC-_VI1: C615_VI1.1 L602_VI1.2 U603_VI1.32
VDPC-_VI2: C615_VI2.1 L602_VI2.2 U603_VI2.32
VDPC-_VI3: C615_VI3.1 L602_VI3.2 U603_VI3.32
VDPC-_VI4: C615_VI4.1 L602_VI4.2 U603_VI4.32
VDPC-_VI5: C615_VI5.1 L602_VI5.2 U603_VI5.32
VDPC-_VI6: C615_VI6.1 L602_VI6.2 U603_VI6.32
VI_VI1: C617_VI1.1 D608_VI1.2 D609_VI1.1 R606_VI1.2 U603_VI1.37
VI_VI2: C617_VI2.1 D608_VI2.2 D609_VI2.1 R606_VI2.2 U603_VI2.37
VI_VI3: C617_VI3.1 D608_VI3.2 D609_VI3.1 R606_VI3.2 U603_VI3.37
VI_VI4: C617_VI4.1 D608_VI4.2 D609_VI4.1 R606_VI4.2 U603_VI4.37
VI_VI5: C617_VI5.1 D608_VI5.2 D609_VI5.1 R606_VI5.2 U603_VI5.37
VI_VI6: C617_VI6.1 D608_VI6.2 D609_VI6.1 R606_VI6.2 U603_VI6.37
VIN+: F301.1 P101.2 | length 2.5
  Bottom Layer w1: P101.2@4.191,90.424 F301.1@4.191,92.964
VIN-: C305.2 C306.2 C307.2 D302.1 P101.1 R303.1 U303.1 | length 38.4
  Top Layer w1: P101.1@4.191,87.884 5.588,86.487 14.859,86.487 15.835,87.463 C305.2@15.835,89.535 ; R303.1@15.247,96.647 15.247,96.539 15.835,95.951 C305.2@15.835,89.535 ; U303.1@28.702,88.773 28.54,88.773 28.306,88.539 C306.2@22.098,88.539 21.99,88.539 20.994,89.535 C305.2@15.835,89.535
  Bottom Layer w1: P101.1@4.191,87.884 5.084,86.991 6.481,86.991 D302.1@6.731,86.741
VIOUT_VI1: C622_VI1.1 D601_VI1.2 P102.2 R606_VI1.1 R607_VI1.1 R627_VI1.2
VIOUT_VI2: C622_VI2.1 D601_VI2.2 P103.2 R606_VI2.1 R607_VI2.1 R627_VI2.2
VIOUT_VI3: C622_VI3.1 D601_VI3.2 P104.2 R606_VI3.1 R607_VI3.1 R627_VI3.2
VIOUT_VI4: C622_VI4.1 D601_VI4.2 P105.2 R606_VI4.1 R607_VI4.1 R627_VI4.2
VIOUT_VI5: C622_VI5.1 D601_VI5.2 P107.2 R606_VI5.1 R607_VI5.1 R627_VI5.2
VIOUT_VI6: C622_VI6.1 D601_VI6.2 P108.2 R606_VI6.1 R607_VI6.1 R627_VI6.2
VISOGND: C402.2 C404.2 D403.1 P106.4 R405.1 U401.11 U401.14 U401.16 U401.20
VISOOUT: C402.1 C404.1 D401.2 P106.1 R401.1 U401.12 U401.19
±15VsON: Q301.1 R314.2 U1.24
pads on no net: Designator6.1 Designator6.2 Designator6.3 Designator6.4 Designator6.5 Designator6.6 Designator6.7 Designator6.8 Designator6.9 Designator6.10 Designator6.11 Designator6.12 Designator6.13 Designator6.14 Designator6.15 Designator6.16 Designator6.17 Designator6.18 Designator6.19 Designator6.20 Designator6.21 Designator6.22 Designator6.23 Designator6.24 Designator6.25 Designator6.26 Designator6.27 Designator6.28 Designator6.29 Designator6.30 Designator6.S1 Designator6.S2 Designator7.1 Designator7.2 Designator7.3 Designator7.4 Designator7.5 Designator7.6 Designator7.7 Designator7.8 Designator7.9 Designator7.10 Designator7.11 Designator7.12 Designator7.13 Designator7.14 Designator7.15 Designator7.16 Designator7.17 Designator7.18 Designator7.19 Designator7.20 Designator7.21 Designator7.22 Designator7.23 Designator7.24 Designator7.25 Designator7.26 Designator7.27 Designator7.28 Designator7.29 Designator7.30 Designator7.S1 Designator7.S2 Designator8.1 Designator8.2 Designator8.3 Designator8.4 Designator8.5 Designator8.6 Designator8.7 Designator8.8 Designator8.9 Designator8.10 Designator8.11 Designator8.12 Designator8.13 Designator8.14 Designator8.15 Designator8.16 Designator8.17 Designator8.18 Designator8.19 Designator8.20 Designator8.21 Designator8.22 Designator8.23 Designator8.24 Designator8.25 Designator8.26 Designator8.27 Designator8.28 Designator8.29 Designator8.30 Designator8.S1 Designator8.S2 Designator9.1 Designator9.2 Designator9.3 Designator9.4 Designator9.5 Designator9.6 Designator9.7 Designator9.8 Designator9.9 Designator9.10 Designator9.11 Designator9.12 Designator9.13 Designator9.14 Designator9.15 Designator9.16 Designator9.17 Designator9.18 Designator9.19 Designator9.20 Designator9.21 Designator9.22 Designator9.23 Designator9.24 Designator9.25 Designator9.26 Designator9.27 Designator9.28 Designator9.29 Designator9.30 Designator9.S1 Designator9.S2 P502.6 P502.12 P502.23 P502.24 P502.25 P502.29 P502.S1 P502.S2 P503.1 P503.2 P503.3 P503.4 P503.5 P503.6 P503.7 P503.8 P503.9 P503.10 P503.11 P503.12 P503.13 P503.14 P503.15 P503.16 P503.17 P503.18 P503.19 P503.20 P503.21 P503.22 P503.23 P503.24 P503.25 P503.26 P503.27 P503.28 P503.29 P503.30 P503.S1 P503.S2 P504.1 P504.2 P504.3 P504.4 P504.5 P504.6 P504.7 P504.8 P504.9 P504.10 P504.11 P504.12 P504.13 P504.14 P504.15 P504.16 P504.17 P504.18 P504.19 P504.20 P504.21 P504.22 P504.23 P504.24 P504.25 P504.26 P504.27 P504.28 P504.29 P504.30 P504.S1 P504.S2 U303.6 U309. U309.4 U309.5 U309.6 U309.7 U309.8 U309.10 U309.11 U309.12 U310.3 U310.4 U310.6 U311.7 U311.8 U311.9 U311.10 U312.7 U312.8 U312.9 U312.10 U603_VI1.28 U603_VI1.33 U603_VI1.41 U603_VI2.28 U603_VI2.33 U603_VI2.41 U603_VI3.28 U603_VI3.33 U603_VI3.41 U603_VI4.28 U603_VI4.33 U603_VI4.41 U603_VI5.28 U603_VI5.33 U603_VI5.41 U603_VI6.28 U603_VI6.33 U603_VI6.41 U605_VI1.1 U605_VI1.3 U605_VI1.8 U605_VI1.16 U605_VI1.17 U605_VI1.24 U605_VI1.25 U605_VI1.27 U605_VI1.28 U605_VI1.32 U605_VI2.1 U605_VI2.3 U605_VI2.8 U605_VI2.16 U605_VI2.17 U605_VI2.24 U605_VI2.25 U605_VI2.27 U605_VI2.28 U605_VI2.32 U605_VI3.1 U605_VI3.3 U605_VI3.8 U605_VI3.16 U605_VI3.17 U605_VI3.24 U605_VI3.25 U605_VI3.27 U605_VI3.28 U605_VI3.32 U605_VI4.1 U605_VI4.3 U605_VI4.8 U605_VI4.16 U605_VI4.17 U605_VI4.24 U605_VI4.25 U605_VI4.27 U605_VI4.28 U605_VI4.32 U605_VI5.1 U605_VI5.3 U605_VI5.8 U605_VI5.16 U605_VI5.17 U605_VI5.24 U605_VI5.25 U605_VI5.27 U605_VI5.28 U605_VI5.32 U605_VI6.1 U605_VI6.3 U605_VI6.8 U605_VI6.16 U605_VI6.17 U605_VI6.24 U605_VI6.25 U605_VI6.27 U605_VI6.28 U605_VI6.32 U701.31 U701.33 U704.7 U704.10
copper on no net:
  other v1: 129.286,3.509 128.508,4.286 130.064,4.286 127.73,5.064 129.286,5.064 130.842,5.064 126.953,5.842 128.508,5.842 130.064,5.842 131.619,5.842 127.73,6.62 129.286,6.62 130.842,6.62 128.508,7.398 130.064,7.398 129.286,8.175 128.016,29.036 127.238,29.813 128.794,29.813 126.46,30.591 128.016,30.591 129.572,30.591 125.683,31.369 127.238,31.369 128.794,31.369 130.349,31.369 126.46,32.147 128.016,32.147 129.572,32.147 127.238,32.925 128.794,32.925 120.904,33.608 128.016,33.702 120.126,34.385 121.682,34.385 119.348,35.163 120.904,35.163 122.46,35.163 118.571,35.941 120.126,35.941 121.682,35.941 123.237,35.941 119.348,36.719 120.904,36.719 122.46,36.719 120.126,37.497 121.682,37.497 120.904,38.274 126.188,58.185 125.41,58.963 126.966,58.963 124.632,59.741 126.188,59.741 127.743,59.741 123.854,60.519 125.41,60.519 126.966,60.519 128.521,60.519 124.632,61.296 126.188,61.296 127.743,61.296 125.41,62.074 126.966,62.074 126.188,62.852 122.936,66.628 122.158,67.405 123.714,67.405 121.38,68.183 122.936,68.183 124.492,68.183 120.603,68.961 122.158,68.961 123.714,68.961 125.269,68.961 121.38,69.739 122.936,69.739 124.492,69.739 122.158,70.517 123.714,70.517 122.936,71.294 130.28,90.879 129.502,91.657 131.058,91.657 128.724,92.435 130.28,92.435 131.836,92.435 127.947,93.212 129.502,93.212 131.058,93.212 132.614,93.212 128.724,93.99 130.28,93.99 131.836,93.99 129.502,94.768 131.058,94.768 130.28,95.546
  other v3: 45.102,23.859 44.395,24.566 45.809,24.566 43.688,25.273 45.102,25.273 46.516,25.273 44.395,25.98 45.809,25.98 45.102,26.687

## Silkscreen, mask and mechanical layers (free items; w line width, h text height)
Top Overlay:
  lines w0.127: 0,2.5 80,2.5 ; 0,97.5 80,97.5 ; 2.5,0 2.5,100 ; 77.5,0 77.5,100 ; 86.908,2 170.545,2 ; 86.995,98 172.339,98 ; 91,-0.889 91,101.854 ; 167,-1.27 167,101.981
Mechanical 1:
  lines w0.3: 0,2 ccw(c2,2) 2,0 ; 0,2.032 0,98.044 ; 0,98 cw(c2,98) 2,100 ; 1.956,100 78.054,100 ; 2.032,0 77.978,0 ; 78,0 ccw(c78,2) 80,2 ; 78,100 cw(c78,98) 80,98 ; 80.01,2.032 80.01,98.044 ; 89,-31 ccw(c91,-31) 91,-33 ; 89,-30.834 89,-4.853 ; 89,-5 cw(c91,-5) 91,-3 ; 89,2 ccw(c91,2) 91,0 ; 89,2.059 89,98.298 ; 89,98 cw(c91,98) 91,100 ; 90.805,100 166.954,100 ; 90.853,-3 166.957,-3 ; 91.059,0 167.005,0 ; 91.166,-33 166.898,-33 ; 167,-33 ccw(c167,-31) 169,-31 ; 167,-3 cw(c167,-5) 169,-5 ; 167,0 ccw(c167,2) 169,2 ; 167,100 cw(c167,98) 169,98 ; 169,-30.898 169,-5.043 ; 169,1.995 169,97.954

## Text inside footprints (layer, text, board x,y; h text height)
D508: Bottom Overlay "+" at 157.632,-5.842 h0.8 r90
D509: Bottom Overlay "+" at 152.298,-6.096 h0.8 r90
D510: Bottom Overlay "+" at 147.091,-5.969 h0.8 r90
D511: Bottom Overlay "+" at 142.773,-6.223 h0.8 r90
K501: Top Overlay "1" at 92.412,-12.637 h0.65 r270; Top Overlay "ON" at 97.892,-12.403 h0.32 r270
K502: Top Overlay "ON" at 93.712,-26.091 h0.33; Top Overlay "ON" at 93.712,-24.821 h0.33; Top Overlay "ON" at 93.712,-23.551 h0.33; Top Overlay "ON" at 93.712,-27.361 h0.33; Top Overlay "ON" at 93.712,-28.631 h0.33; Top Overlay "ON" at 93.712,-29.901 h0.33
K503: Top Overlay "1" at 92.412,-9.716 h0.65 r270; Top Overlay "ON" at 97.892,-9.482 h0.32 r270
K504: Top Overlay "1" at 92.412,-15.558 h0.65 r270; Top Overlay "ON" at 97.892,-15.324 h0.32 r270
K505: Top Overlay "ON" at 93.712,-19.038 h0.33; Top Overlay "ON" at 93.712,-20.308 h0.33
U301: Bottom Overlay "A_S-1WR3" at 7.244,79.17 h0.76 r90; Bottom Overlay "+Vo" at 5.552,70.35 h0.76 r90; Bottom Overlay "GND" at 5.552,80.399 h0.76 r90; Bottom Overlay "Vin" at 5.588,83 h0.76 r90; Bottom Overlay "-Vo" at 5.552,75.43 h0.76 r90; Bottom Overlay "0V" at 5.552,72.566 h0.76 r90
U302: Bottom Overlay "A_S-1WR3" at 16.515,79.17 h0.76 r90; Bottom Overlay "+Vo" at 14.823,70.35 h0.76 r90; Bottom Overlay "GND" at 14.823,80.399 h0.76 r90; Bottom Overlay "Vin" at 14.859,83 h0.76 r90; Bottom Overlay "-Vo" at 14.823,75.43 h0.76 r90; Bottom Overlay "0V" at 14.823,72.566 h0.76 r90
U303: Bottom Overlay "+Vo" at 37.628,96.834 h1.2 r180; Bottom Overlay "NC" at 37.628,94.295 h1.2 r180; Bottom Overlay "0V" at 37.626,91.756 h1.2 r180; Bottom Overlay "Vin" at 25.716,96.858 h1.2 r180; Bottom Overlay "GND" at 25.645,89.146 h1.2 r180; Bottom Overlay "WRB_SD-3WR2" at 28.652,99.134 h1.5 r180
U304: Bottom Overlay "0V" at 23.967,72.566 h0.76 r90; Bottom Overlay "-Vo" at 23.967,75.43 h0.76 r90; Bottom Overlay "Vin" at 24.003,83 h0.76 r90; Bottom Overlay "GND" at 23.967,80.399 h0.76 r90; Bottom Overlay "+Vo" at 23.967,70.35 h0.76 r90; Bottom Overlay "A_S-1WR3" at 25.659,79.17 h0.76 r90
U305: Bottom Overlay "0V" at 33.111,72.566 h0.76 r90; Bottom Overlay "-Vo" at 33.111,75.43 h0.76 r90; Bottom Overlay "Vin" at 33.147,83 h0.76 r90; Bottom Overlay "GND" at 33.111,80.399 h0.76 r90; Bottom Overlay "+Vo" at 33.111,70.35 h0.76 r90; Bottom Overlay "A_S-1WR3" at 34.803,79.17 h0.76 r90
U307: Bottom Overlay "0V" at 42.255,72.566 h0.76 r90; Bottom Overlay "-Vo" at 42.255,75.43 h0.76 r90; Bottom Overlay "Vin" at 42.291,83 h0.76 r90; Bottom Overlay "GND" at 42.255,80.399 h0.76 r90; Bottom Overlay "+Vo" at 42.255,70.35 h0.76 r90; Bottom Overlay "A_S-1WR3" at 43.947,79.17 h0.76 r90
U308: Bottom Overlay "A_S-1WR3" at 53.218,79.17 h0.76 r90; Bottom Overlay "+Vo" at 51.526,70.35 h0.76 r90; Bottom Overlay "GND" at 51.526,80.399 h0.76 r90; Bottom Overlay "Vin" at 51.562,83 h0.76 r90; Bottom Overlay "-Vo" at 51.526,75.43 h0.76 r90; Bottom Overlay "0V" at 51.526,72.566 h0.76 r90